# Altium PCB PCB-ZB206B-0B.PcbDoc (part 5 of 7)
Units mm, origin at the board's own origin, x right, y up, seen from the top; angles counter-clockwise.
Board outline 366.51 x 137.86 mm, 2 copper layers (Top Layer, Bottom Layer); 583 components, 415 nets, 1779 pads, 4554 vias.
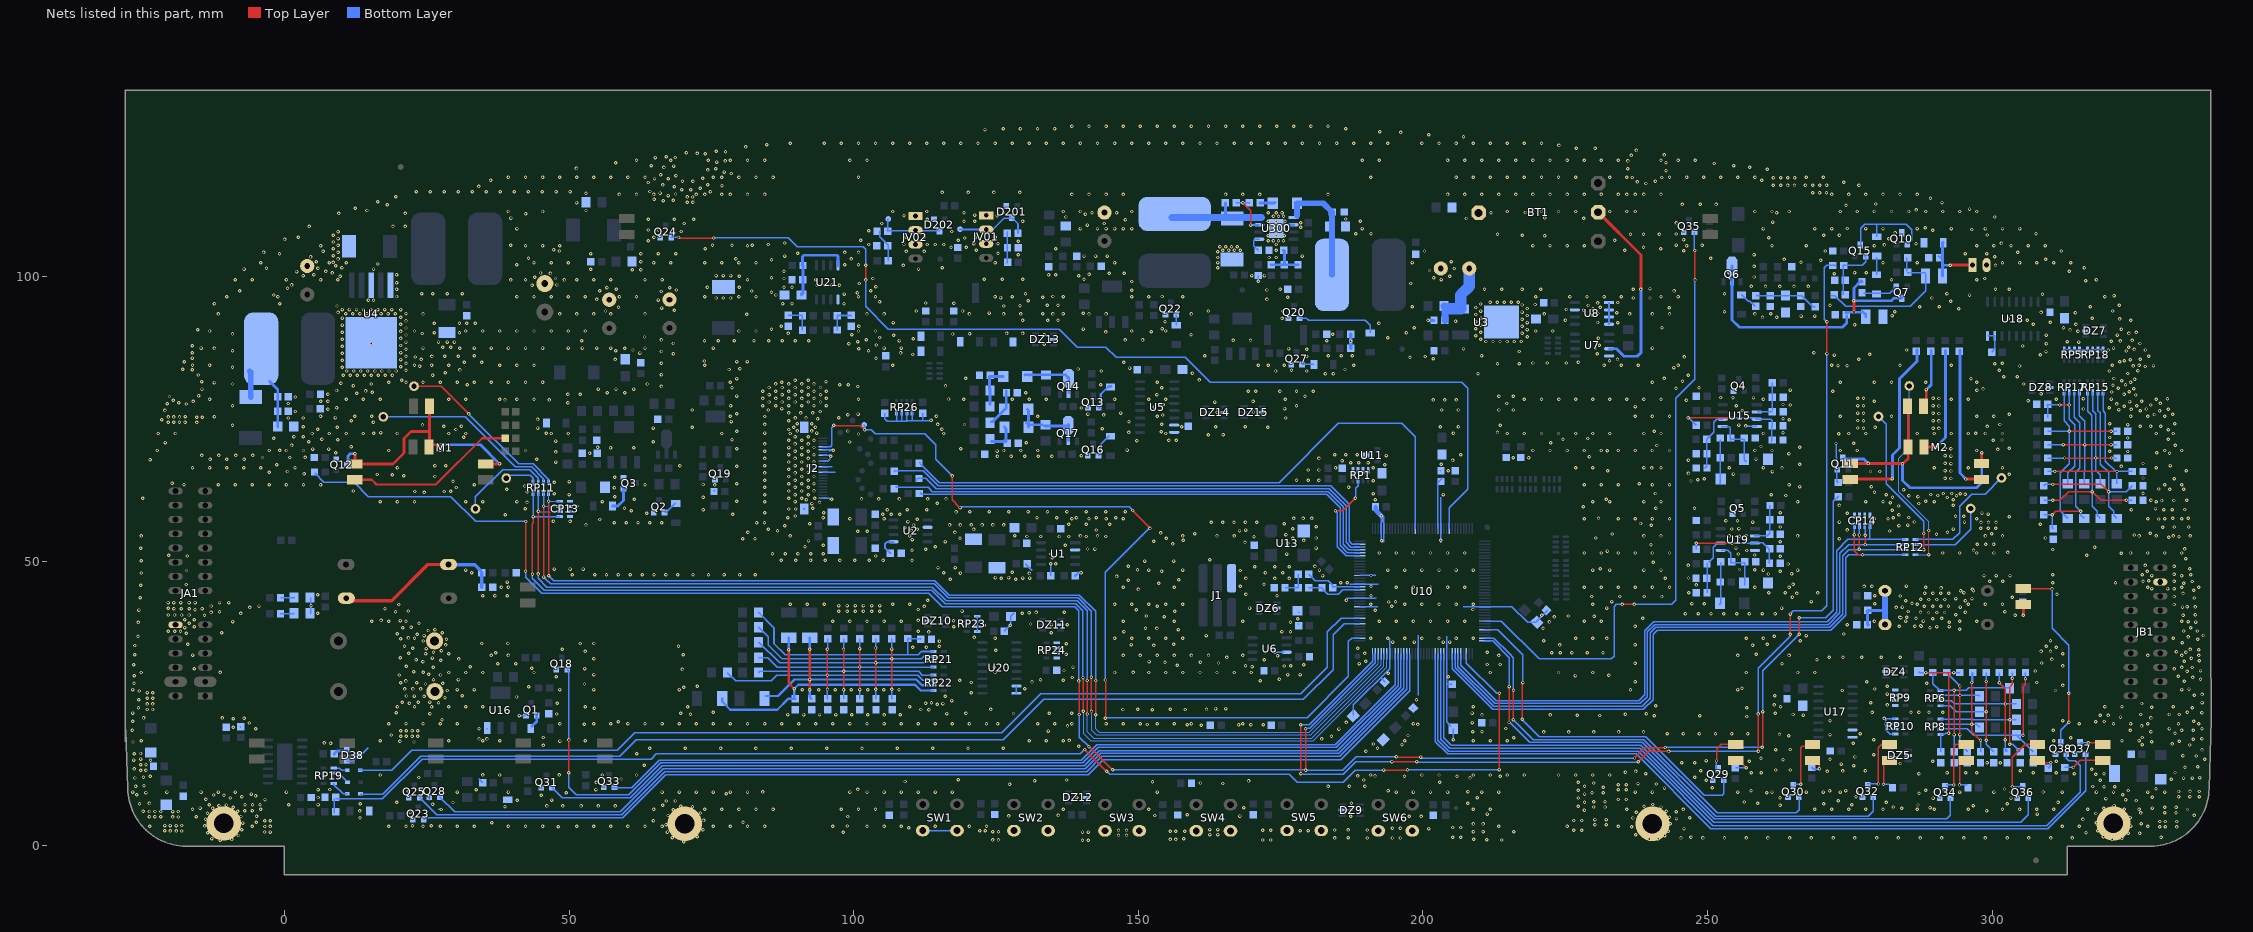
[diagram p5: the nets of this part, all layers, seen from the top]

## Via types
v1: diameter 0.6, hole 0.3, Top Layer to Bottom Layer, tented both sides, 4537 vias
v2: diameter 0.8, hole 0.3, Top Layer to Bottom Layer, 6 vias
v3: diameter 6, hole 3.4, Top Layer to Bottom Layer, 4 vias
v4: diameter 1, hole 0.5, Top Layer to Bottom Layer, tented both sides, 3 vias
v5: diameter 0.8, hole 0.4, Top Layer to Bottom Layer, 2 vias
v6: diameter 1, hole 0.3, Top Layer to Bottom Layer, 1 vias
v7: diameter 1, hole 0.5, Top Layer to Bottom Layer, 1 vias

## Nets (pads, with @x,y where several pads share a name; then routed paths per layer and width w, separated by ;. In a path a pad name is that pad's centre, name@x,y a point inside that pad or via, vN(x,y) a via of type N, cw(c..) or ccw(c..) an arc to the next point about the centre after c; other vN are vias at no path point) (continued)
GND: (continued)
  other v1: 138.332,114.461 141.332,114.461 144.332,114.461 147.332,114.461 165.332,114.461 168.332,114.461 171.332,114.461 183.332,114.461 204.332,114.461 207.332,114.461 210.332,114.461 213.332,114.461 216.332,114.461 219.332,114.461 222.332,114.461 225.332,114.461 228.332,114.461 231.332,114.461 234.332,114.461 235.832,114.461 237.332,114.461 238.832,114.461 241.832,114.461 271.832,114.461 274.832,114.461 277.832,114.461 280.832,114.461 283.832,114.461 286.832,114.461 68.68,114.54 52.959,114.681 65.98,114.7 268.5,114.74 269.69,114.73 270.91,114.73 115.57,114.808 120.1,114.808 124.629,114.808 129.159,114.808 23.162,114.919 25.617,114.919 28.071,114.919 30.526,114.919 32.98,114.919 35.435,114.919 37.889,114.919 40.344,114.919 42.798,114.919 45.253,114.919 47.707,114.919 50.162,114.919 74.82,114.93 64.19,114.98 69.77,115.27 71.36,115.27 73.06,115.57 68.46,115.82 34.13,115.87 76.85,115.98 264.07,116.04 265.29,116.04 261.58,116.06 262.88,116.05 267.21,116.06 270.92,116.06 268.5,116.08 269.72,116.08 276.606,116.078 66.45,116.13 74.37,116.16 239.19,116.38 63.9,116.55 273.939,116.586 237.67,116.66 240.85,116.75 69.92,116.77 71.75,116.8 259.55,116.96 36.195,116.967 67.43,117.19 65,117.25 73.49,117.32 261.59,117.37 262.88,117.39 264.1,117.39 265.3,117.37 236.79,117.43 241.97,117.43 39.332,117.461 42.332,117.461 45.332,117.461 48.332,117.461 51.332,117.461 54.332,117.461 57.332,117.461 60.332,117.461 63.332,117.461 76.832,117.461 79.832,117.461 82.832,117.461 85.832,117.461 100.832,117.461 190.832,117.461 205.832,117.461 208.832,117.461 211.832,117.461 214.832,117.461 217.832,117.461 220.832,117.461 223.832,117.461 226.832,117.461 232.832,117.461 235.832,117.461 243.332,117.461 246.332,117.461 249.332,117.461 252.332,117.461 255.332,117.461 258.332,117.461 267.332,117.461 270.332,117.461 75.32,117.5 68.76,117.75 66.06,117.91 78.46,118.13 77.24,118.39 242.71,118.61 74.37,118.76 260.477,118.872 75.77,118.95 236,118.97 51.28,119.03 66.65,119.2 257.429,119.253 68.38,119.44 64.44,119.48 254.635,119.507 251.206,119.888 58.166,120.015 242.71,120.02 75.93,120.14 77.44,120.34 236.02,120.35 74.42,120.44 61.832,120.461 67.832,120.461 78.332,120.461 81.332,120.461 84.332,120.461 99.332,120.461 102.332,120.461 189.332,120.461 192.332,120.461 204.332,120.461 207.332,120.461 210.332,120.461 213.332,120.461 216.332,120.461 219.332,120.461 222.332,120.461 225.332,120.461 228.332,120.461 231.332,120.461 234.332,120.461 241.832,120.461 244.832,120.461 247.832,120.461 65.14,120.93 68.66,120.94 67.07,121.06 236.59,121.31 242.42,121.4 73.92,121.6 72.517,121.666 70.612,121.793 77.47,121.96 75.85,122.07 237.52,122.19 226.949,122.555 230.251,122.555 81.026,122.809 223.901,123.063 84.709,123.19 88.832,123.461 94.832,123.461 97.832,123.461 100.832,123.461 103.832,123.461 106.832,123.461 109.832,123.461 112.832,123.461 115.832,123.461 118.832,123.461 121.832,123.461 124.832,123.461 127.832,123.461 130.832,123.461 133.832,123.461 136.832,123.461 139.832,123.461 142.832,123.461 145.832,123.461 148.832,123.461 151.832,123.461 154.832,123.461 157.832,123.461 160.832,123.461 163.832,123.461 166.832,123.461 169.832,123.461 172.832,123.461 175.832,123.461 178.832,123.461 181.832,123.461 184.832,123.461 187.832,123.461 190.832,123.461 193.832,123.461 199.832,123.461 202.832,123.461 205.832,123.461 208.832,123.461 211.832,123.461 214.832,123.461 217.832,123.461 220.832,123.461 207.137,124.587 201.041,124.968 196.088,125.349 192.405,125.476 123.063,125.857 126.286,125.984 129.286,125.984 132.286,125.984 135.286,125.984 186.436,125.984 138.332,126.461 141.332,126.461 144.332,126.461 147.332,126.461 150.332,126.461 153.332,126.461 156.332,126.461 159.332,126.461 162.332,126.461 165.332,126.461 168.332,126.461 171.332,126.461 174.332,126.461 177.332,126.461 180.332,126.461 183.332,126.461
  other v3: 70.325,3.9 240.325,3.9 -10.686,3.95 321.315,3.95
IN1: D66.1 U10.45 | length 190.6
  Bottom Layer w0.25: D66.1@13.01,13.25 18.831,13.25 22.342,16.762 58.472,16.762 61.561,19.85 125.99,19.85 132.865,26.725 178.563,26.725 183.232,31.394 183.232,37.592 185.65,40.01 U10.45@188.9,40.01
IN2: D68.1 U10.43 | length 191.6
  Bottom Layer w0.25: D68.1@13.29,9.07 17.281,9.07 23.971,15.76 58.93,15.76 61.8,18.63 126.272,18.63 126.311,18.669 ; 126.31,18.67 133.365,25.725 178.986,25.725 184.242,30.982 184.242,37.062 186.19,39.01 U10.43@188.9,39.01
IS9: C81.1 R147.2 U10.3 | length 236.8
  Top Layer w0.25: v1(140.57,16.93) v1@144.4,13.1 ; v1(193.11,13.32) v1@197.25,13.32 ; v1(213.43,13.41) 213.43,26.81 v1(213.46,26.84)
  Bottom Layer w0.25: R147.2@8.72,5.71 C81.1@8.72,8.27 ; R147.2@8.75,5.82 R147.2@8.76,5.81 ; C81.1@9,8.27 17.191,8.27 24.172,15.252 64.432,15.252 65.331,16.15 139.81,16.15 v1@140.54,16.88 ; v1@144.435,13.125 144.95,12.61 176.55,12.61 177.95,11.21 186.01,11.21 188.12,13.32 v1(193.11,13.32) ; v1(197.29,13.36) 213.38,13.36 v1(213.43,13.41) ; U10.3@207.65,33.76 207.65,32.134 212.944,26.84 v1(213.46,26.84)
  other v1: 144.46,13.1
LCD-PWM: J2.19 TP6.1 U10.38 | length 164.2
  Top Layer w0.25: v1@96.47,73.86 101.19,73.86 v1(101.91,73.14) ; v1(117.3,65) 117.3,60.79 v1@118.58,59.51 ; v1(144.2,22.43) 144.24,22.47 144.24,29.12 v1(144.22,29.14) ; v1@149.01,58.88 149.04,58.88 152.04,55.88 v1(152.04,55.78)
  Bottom Layer w0.25: J2.19@94.575,70.12 95.926,70.12 96.164,70.358 96.164,73.464 v1@96.53,73.83 ; TP6.1@101.727,73.99 101.91,73.807 v1(101.91,73.14) 103.06,73.14 103.75,72.45 112.444,72.45 114.402,70.492 114.402,67.898 v1(117.3,65) ; v1(118.69,59.44) 118.84,59.59 148.39,59.59 v1@149.033,58.947 ; v1(144.2,22.43) 144.311,22.541 179.671,22.541 186.91,29.78 186.91,35.95 187.47,36.51 U10.38@188.9,36.51 ; v1@144.22,29.13 v1(144.22,29.14) 144.22,48.07 151.93,55.78 v1(152.04,55.78)
  other v1: 149.02,58.93 96.49,73.9
LED1: Q38.2 U10.13 | length 145
  Bottom Layer w0.25: U10.13@202.65,33.76 202.65,18.554 204.544,16.66 237.83,16.66 240.61,13.88 240.62,13.88 250.92,3.58 309.64,3.58 315.45,9.39 315.45,14.06 314.58,14.93 313.49,14.93 313.04,15.38 Q38.2@313.04,16.09
LED2: Q37.2 U10.14 | length 145.2
  Bottom Layer w0.25: U10.14@202.15,33.76 202.15,18.339 204.339,16.15 237.46,16.15 250.58,3.03 309.8,3.03 316.42,9.65 Q37.2@316.42,16.09
LED3: Q36.2 U10.12 | length 127.7
  Bottom Layer w0.25: U10.12@203.15,33.76 203.15,18.764 204.734,17.18 238.06,17.18 251.08,4.16 305.04,4.16 306.35,5.47 Q36.2@306.35,8.4
LED4: Q34.2 U10.11 | length 113
  Bottom Layer w0.25: U10.11@203.65,33.76 203.65,18.98 204.94,17.69 238.26,17.69 251.22,4.73 292.03,4.73 292.68,5.38 Q34.2@292.68,8.38
LED5: Q32.2 U10.144 | length 90.5
  Top Layer w0.25: v1@215.16,21.63 215.16,21.68 v1@215.17,27.97
  Bottom Layer w0.25: U10.144@210.9,36.01 212.25,36.01 215.18,33.08 215.18,28.03 v1@215.16,28.03 ; v1@215.15,21.79 218.748,18.192 238.508,18.192 251.46,5.24 278.27,5.24 279.12,6.09 279.12,8.405 Q32.2@279.02,8.505
  other v1: 215.13,21.68 215.19,27.99
LED6: Q30.2 U10.143 | length 76.5
  Top Layer w0.25: v1@215.88,22.41 215.88,27.18 v1@216.03,27.33
  Bottom Layer w0.25: U10.143@210.9,36.51 212.464,36.51 215.232,33.742 ; 215.23,33.74 215.872,33.098 215.872,27.488 v1@216.03,27.33 ; v1@215.88,22.2 v1(215.91,22.17) 219.388,18.692 238.828,18.692 251.73,5.79 265.56,5.79 266.14,6.37 Q30.2@266.14,8.34
  other v1: 215.92,27.36
LED7: Q29.2 U10.140 | length 63.6
  Top Layer w0.25: v1@217.44,22.18 217.44,28.57 v1(217.57,28.7)
  Bottom Layer w0.25: U10.140@210.9,38.01 213.114,38.01 217.57,33.554 v1(217.57,28.7) ; v1@217.44,22.2 217.48,22.2 220.48,19.2 239.18,19.2 249.47,8.91 252.6,8.91 252.89,9.2 252.89,11.53 252.76,11.66 252.77,11.66 Q29.2@252.78,11.67
  other v1: 217.47,22.25
LED16: Q24.2 U10.100 | length 182.8
  Top Layer w0.25: v1(69.23,106.89) 69.32,106.8 v1(75.41,106.8) ; v1@102.1,99.432 v1(102.1,99.441) v1(102.1,102.01)
  Bottom Layer w0.25: Q24.2@67.89,106.9 v1@69.22,106.9 ; v1(75.41,106.8) 75.4,106.81 88.516,106.81 90.043,105.283 101.637,105.283 102.1,104.82 v1(102.1,102.01) ; v1@102.1,99.432 102.1,94.77 106.06,90.81 136.12,90.81 139.278,87.652 144.245,87.652 146.086,85.81 158.251,85.81 162.641,81.42 206.84,81.42 207.86,80.4 207.86,62.619 204.65,59.409 U10.100@204.65,55.76
LED17: Q18.2 U10.27 | length 180.7
  Top Layer w0.25: v1(49.94,12.84) 49.96,12.86 v1(49.96,18.62)
  Bottom Layer w0.25: Q18.2@49.657,30.988 49.96,30.685 v1(49.96,18.62) ; v1(49.94,12.84) 49.94,10.28 51.25,8.97 60.5,8.97 66.1,14.57 140.21,14.57 142.931,17.291 184.811,17.291 195.65,28.13 195.65,28.14 U10.27@195.65,33.76
LED18: Q23.2 U10.23 | length 189.1
  Bottom Layer w0.25: Q23.2@24.45,4.62 24.8,4.97 59.411,4.97 66.971,12.53 141.17,12.53 143.81,15.17 185.6,15.17 197.65,27.22 U10.23@197.65,33.76
LED19: Q25.2 U10.24 | length 190
  Bottom Layer w0.25: Q25.2@23.75,8.48 25.35,6.88 26.748,5.482 59.202,5.482 66.771,13.05 140.9,13.05 143.579,15.729 185.389,15.729 197.15,27.489 U10.24@197.15,33.76
LED20: Q28.2 U10.25 | length 185.5
  Bottom Layer w0.25: Q28.2@27.31,8.56 29.888,5.982 58.992,5.982 65.68,12.67 66.571,13.56 140.68,13.56 143.365,16.245 185.195,16.245 196.65,27.7 U10.25@196.65,33.76
LED21: Q31.2 U10.26 | length 163.8
  Bottom Layer w0.25: Q31.2@47,10.19 48.77,8.42 60.72,8.42 64.55,12.25 66.36,14.06 140.46,14.06 143.154,16.754 184.994,16.754 196.15,27.91 U10.26@196.15,33.76
LED22: Q33.2 U10.28 | length 150.6
  Bottom Layer w0.2: U10.28@195.15,33.75 U10.28@195.15,33.76
  Bottom Layer w0.25: Q33.2@57.5,10.24 60.96,10.24 65.8,15.08 139.98,15.08 142.715,17.815 184.615,17.815 195.15,28.35 U10.28@195.15,33.75
LED23: Q35.2 U10.137 | length 111.7
  Top Layer w0.25: v1@235.06,42.43 v1(237.15,42.43) ; v1(247.77,104.61) 247.77,99.47 v1(247.8,99.44)
  Bottom Layer w0.25: U10.137@210.9,39.51 213.745,39.51 220.403,32.852 233.112,32.852 233.58,33.32 233.58,42.029 233.971,42.42 v1(235.05,42.42) ; v1(237.15,42.43) 243.725,42.43 244.43,43.135 244.43,78.648 247.8,82.018 247.8,98.83 ; Q35.2@247.71,107.83 247.71,104.67 v1(247.77,104.61) ; 247.8,98.85 v1(247.8,99.44)
LED_BK: R75.1 R76.1 U10.35 | length 375.6
  Top Layer w0.25: v1(42.34,48.26) v1@42.34,57 ; v1@139.58,28.92 139.58,23.15 v1(139.64,23.09) ; v1(141.34,17.4) 145.38,13.36 v1(145.51,13.36) ; v1(179.38,20.6) 179.39,20.59 v1(179.39,13.3) ; v1(195.35,15.68) 195.42,15.61 v1(199.62,15.61) ; v1(237.18,15.45) 239.018,17.288 v1(242.587,17.288) ; v1(259.61,17.33) 259.7,17.42 v1(259.7,23.58) ; v1(266.13,37.21) v1(266.13,40.09)
  Bottom Layer w0.25: R76.1@5.39,65.54 5.39,65.43 6.93,63.89 12.22,63.89 14.74,61.37 29.21,61.37 33.58,57 v1(42.39,57) ; v1(42.34,48.26) 42.34,47.27 42.32,47.25 45.17,44.4 113.2,44.4 115.58,42.02 138.84,42.02 139.56,41.3 v1(139.56,28.98) v1@139.56,28.97 ; v1(139.64,23.09) 139.64,19.1 v1(141.34,17.4) ; v1(145.51,13.36) 179.27,13.36 v1@179.4,13.23 ; v1@179.2,13.49 179.18,13.49 179.25,13.42 179.27,13.42 v1(179.39,13.3) 179.42,13.27 185.921,13.27 188.331,15.68 v1(195.35,15.68) ; v1@179.38,20.64 180.101,20.64 185.732,26.272 ; 185.56,26.1 185.732,26.272 ; U10.35@191.65,33.76 191.65,32.189 185.732,26.272 ; v1(199.62,15.61) 199.83,15.4 237.13,15.4 v1(237.18,15.45) ; v1@242.5,17.2 242.63,17.33 v1(259.61,17.33) ; v1@259.7,23.56 v1(259.7,23.58) 259.7,30.78 v1(266.13,37.21) ; v1(266.13,40.09) 270.82,40.09 272.14,41.41 272.14,60.57 R75.1@273.03,61.46
MCU-CLK: R149.2 U10.70 | length 86.8
  Bottom Layer w0.25: R149.2@111.04,64.17 R149.2@111.04,64.51 ; R149.2@111.18,64.59 112.63,64.59 114.476,62.744 183.556,62.744 186.52,59.78 186.52,53.32 187.33,52.51 U10.70@188.9,52.51
MCU-CS: R152.2 U10.71 | length 91
  Bottom Layer w0.25: R152.2@107.112,65.823 R152.2@107.176,65.76 ; R152.2@107.12,65.91 112.24,65.91 114.888,63.262 183.768,63.262 187.03,60 187.03,53.53 187.55,53.01 U10.71@188.9,53.01
MCU-MISO: R138.2 U10.68 | length 85.4
  Bottom Layer w0.25: R138.2@111.7,62.02 111.978,61.742 183.144,61.742 185.45,59.436 185.45,52.81 186.75,51.51 U10.68@188.9,51.51
MCU-MOSI: R148.2 U10.69 | length 90
  Bottom Layer w0.25: R148.2@107.39,63.18 107.57,63 113.05,63 113.808,62.242 183.351,62.242 186,59.593 186,53.02 187.01,52.01 U10.69@188.9,52.01
METER1_1: M1.1 RP11.5 | length 5.9
  Bottom Layer w0.25: M1.1@38.89,64.82 39.15,65.08 43.21,65.08 43.67,64.62 RP11.5@43.67,63.84 ; M1.1@38.956,64.653 M1.1@38.981,64.628 ; RP11.5@43.76,63.83 RP11.5@43.76,63.84
METER1_2: M1.2 RP11.6 | length 16.1
  Bottom Layer w0.25: M1.2@33.546,59.228 33.546,61.346 38.32,66.12 43.05,66.12 44.56,64.61 RP11.6@44.56,64.22
METER1_3: M1.3 RP11.7 | length 34
  Top Layer w0.25: M1.3@17.345,75.393 M1.3@18.07,75.393
  Bottom Layer w0.25: M1.3@17.345,75.393 31.757,75.393 40.527,66.623 43.388,66.623 45.47,64.54 RP11.7@45.47,63.84
METER1_4: M1.4 RP11.8 | length 31
  Top Layer w0.25: M1.4@22.752,80.763 27.487,80.763 v1(32.351,75.899)
  Bottom Layer w0.25: v1(32.351,75.899) 32.81,75.44 32.84,75.44 ; 32.825,75.425 41.125,67.125 43.675,67.125 46.37,64.43 RP11.8@46.37,63.84
METER2_1: M2.1 RP12.5 | length 22.3
  Bottom Layer w0.25: RP12.5@286.55,53.84 293.12,53.84 294.31,55.03 294.31,59.65 296.47,61.81 298.814,61.81 M2.1@301.652,64.648
METER2_2: M2.2 RP12.6 | length 14.5
  Bottom Layer w0.25: RP12.6@286.55,52.94 293.57,52.94 296.246,55.616 M2.2@296.246,59.278
METER2_3: M2.3 RP12.7 | length 27.8
  Top Layer w0.25: v1(287.99,52.06) v1@287.99,54.62
  Bottom Layer w0.25: M2.3@280.045,75.443 281.37,74.118 281.37,63.66 287.99,57.04 v1@287.99,54.91 ; RP12.7@286.55,52.04 287.97,52.04 v1(287.99,52.06)
  other v1: 287.99,54.89
METER2_4: M2.4 RP12.8 | length 35
  Top Layer w0.2: v1(288.88,55.41) 288.88,55.25 288.9,55.23 288.89,55.22 v1(288.89,51.14)
  Bottom Layer w0.2: M2.4@285.452,80.813 285.452,69.962 283.6,68.11 283.6,62.24 288.9,56.94 v1@288.9,55.41 ; RP12.8@286.55,51.14 v1(288.89,51.14)
MODA: RP1.3 U10.67 | length 18.7
  Top Layer w0.25: v1(184.64,58.87) 185.91,58.87 v1@188.145,61.105
  Bottom Layer w0.25: v1(184.64,58.87) 184.95,58.56 184.95,52.57 186.51,51.01 U10.67@188.9,51.01 ; v1(188.15,61.1) 188.225,61.175 188.225,62.871 188.6,63.246 RP1.3@188.6,64.2
MODE_CTRL: R153.2 U10.88 | length 110
  Bottom Layer w0.25: R153.2@111.472,67.32 R153.2@111.78,67.32 ; R153.2@111.74,66.98 111.812,67.052 115.053,63.81 174.741,63.81 185.162,74.232 196.278,74.232 198.65,71.86 U10.88@198.65,55.76
MUSIC: C97.2 U10.36 | length 204.4
  Top Layer w0.25: v1@178.52,12.66 178.52,21.23 v1(178.56,21.27) ; v1@194.5,14.71 v1@194.52,14.73 ; v1@194.61,14.8 v1@198.92,14.8 ; v1(237.85,14.79) 239.66,16.6 v1(243.16,16.6) ; v1(258.93,23.19) 258.93,16.67 v1(258.95,16.65) ; v1(264.52,37.21) 264.53,37.22 v1(264.53,40.73) ; v1(270.99,86.5) v1(270.99,92.08)
  Bottom Layer w0.25: v1@178.57,21.3 180.051,21.3 191.15,32.399 U10.36@191.15,33.76 ; 178.888,12.622 185.982,12.622 188.181,14.82 194.58,14.82 v1@194.63,14.87 ; v1@198.83,14.73 198.85,14.71 237.77,14.71 v1(237.85,14.79) 237.85,14.8 v1@237.86,14.81 ; v1(243.16,16.6) 243.21,16.65 v1(258.95,16.65) ; v1(258.93,23.19) 258.93,31.23 264.52,36.82 v1(264.52,37.21) ; v1(264.53,40.73) 265.09,41.29 270.11,41.29 270.98,42.16 270.98,86.49 v1(270.99,86.5) ; v1(270.99,92.08) 270.52,92.55 270.52,101.59 270.97,102.04 272.45,102.04 C97.2@272.53,101.96
  other v1: 178.57,12.66 194.56,14.81 198.94,14.81
NetBT1_1: BT1.1 U7.3 | length 34.2
  Top Layer w0.5: BT1.1@230.8,111.33 238.3,103.83 v1(238.3,97.77) v1@238.32,97.79
  Bottom Layer w0.5: U7.3@232.729,87.345 233.999,87.345 235.329,86.015 237.664,86.015 238.3,86.651 v1(238.3,97.77)
NetC4_1: C4.1 U2.5 | length 3.6
  Bottom Layer w0.35: C4.1@106.426,51.435 105.537,52.324 105.537,53.086 105.886,53.435 U2.5@106.984,53.435
NetC7_1: C7.1 R12.1 | length 2.5
  Bottom Layer w0.25: R12.1@-0.77,40.79 C7.1@1.71,40.79
NetC8_1: C8.1 R13.1 | length 2.5
  Bottom Layer w0.25: R13.1@-0.71,43.59 C8.1@1.77,43.59
NetC14_2: C14.2 C108.2 C300.2 D9.2 L1.1 | length 13.1
  Bottom Layer w0.5: L1.1@-2.59,81.59 -1.19,80.19 C300.2@-1.19,73.68
  Bottom Layer w1: L1.1@-6.1,83.37 -5.935,83.205 D9.2@-5.935,78.857
NetC19_1: C19.1 DW300.2 L302.1 U300.8 | length 18.6
  Bottom Layer w0.5: C19.1@165.29,112.98 165.29,110.395 165.29,110.35 DW300.2@165.36,110.28
  Bottom Layer w1: L302.1@155.81,110.34 L302.1@155.865,110.395
  Bottom Layer w1.2: L302.1@155.865,110.395 165.29,110.395 U300.8@171.25,110.395 U300.8@171.65,110.395
NetC19_2: C19.2 R162.1 U300.7 | length 8.1
  Top Layer w0.3: v1(168.38,112.98) 169.78,111.58 v1(169.78,109.07)
  Bottom Layer w0.3: C19.2@167.19,112.98 v1(168.38,112.98) 169.47,112.98 R162.1@169.49,112.96 ; v1(169.78,109.07) 171.09,109.07 171.1,109.08 U300.7@171.11,109.08
NetC22_1: C22.1 R24.2 R28.1 U15.2 | length 7.5
  Bottom Layer w0.25: U15.2@258.76,76.26 C22.1@261.36,76.26 ; C22.1@261.34,76.55 261.51,76.72 261.38,76.85 R24.2@261.38,81.37
NetC24_1: C24.1 R26.1 R41.1 U15.6 | length 10.6
  Bottom Layer w0.25: R41.1@249.5,66.31 249.91,66.72 C24.1@249.91,68.93 R26.1@249.91,71.45 ; R26.1@249.83,71.45 251.07,72.69 251.07,74.42 251.62,74.97 U15.6@252.67,74.97
NetC26_1: C26.1 R44.1 R182.2 RP6.1 | length 27.6
  Top Layer w0.25: v1(293.33,27.33) v1(293.33,19.558) v1@293.37,19.598
  Bottom Layer w0.25: R44.1@290.053,30.015 R44.1@289.611,30.457 289.611,28.524 290.805,27.33 RP6.1@290.95,27.33 v1(293.33,27.33) 295.427,27.33 295.91,27.813 302.959,27.813 R182.2@303.086,27.686 ; C26.1@293.33,16.51 v1@293.33,19.518
NetC27_1: C27.1 R71.1 R183.2 RP6.2 | length 22.4
  Top Layer w0.25: v1(294.352,19.554) v1(294.352,26.426) 294.352,28.091 v1(294.356,28.095)
  Bottom Layer w0.25: RP6.2@290.95,26.43 297.668,26.43 R183.2@297.809,26.289 ; R71.1@292.024,30.457 294.356,28.125 v1(294.356,28.095) ; v1(294.352,19.554) 294.352,17.937 295.652,16.637 C27.1@295.652,16.51
NetC28_1: C28.1 R91.1 R186.2 RP6.3 | length 28.6
  Top Layer w0.25: v1(301.295,28.651) 302.319,27.627 v1(302.319,24.934) v1(302.319,18.647)
  Bottom Layer w0.25: RP6.3@290.95,25.53 292.859,25.53 293.455,24.934 v1(302.319,24.934) R186.2@304.286,24.934 ; v1(301.295,28.651) R91.1@301.295,30.457 ; v1(302.319,18.647) 302.319,16.81 C28.1@302.619,16.51 C28.1@302.619,17.018
NetC29_1: C29.1 R92.1 R187.2 RP6.4 | length 23.1
  Top Layer w0.25: v1(298.958,18.542) v1(298.958,23.571) v1(298.958,28.882)
  Bottom Layer w0.25: RP6.4@290.95,24.63 292.616,24.63 293.675,23.571 R187.2@297.809,23.571 v1(298.958,23.571) ; RP6.4@291.33,24.67 RP6.4@291.45,24.67 ; v1(298.958,18.542) 298.958,17.849 C29.1@300.297,16.51 ; v1(298.958,28.882) 298.958,30.406 R92.1@299.009,30.457
NetC31_1: C31.1 R166.1 R191.2 RP8.2 | length 23.6
  Top Layer w0.25: v1(296.418,28.702) v1(296.418,21.38) 296.418,20.066 297.942,18.542 v1(297.975,18.542)
  Bottom Layer w0.25: RP8.2@290.95,21.38 v1(296.418,21.38) 297.232,21.38 R191.2@297.809,20.803 ; C31.1@297.975,16.51 v1(297.975,18.542) ; v1(296.418,28.702) 296.596,28.88 R166.1@296.596,30.457 296.418,30.279 v1(296.418,28.702)
NetC33_1: C33.1 R113.1 R199.2 RP8.4 | length 22.6
  Top Layer w0.25: v1(288.365,30.457) 292.354,30.457 ; v1(292.354,19.812) 292.354,30.457 ; v1(293.264,30.457) 292.354,30.457
  Bottom Layer w0.25: R199.2@287.147,30.607 287.297,30.457 v1(288.365,30.457) ; C33.1@291.008,16.51 291.008,19.482 291.084,19.558 290.972,19.558 RP8.4@290.95,19.58 291.592,19.58 291.824,19.812 v1(292.354,19.812) ; v1(293.264,30.457) R113.1@294.31,30.457
NetC34_1: C34.1 U10.96 | length 9.3
  Bottom Layer w0.25: U10.96@202.65,55.76 202.65,63.78 C34.1@203.52,64.65
NetC40_1: C40.1 R119.1 R206.2 RP15.4 | length 39.9
  Top Layer w0.25: v1(310.642,60.706) 311.912,60.706 313.436,62.23 v1(317.627,62.23) 319.151,60.706 v1(323.602,60.706)
  Bottom Layer w0.25: R119.1@309.113,60.706 v1(310.642,60.706) ; RP15.4@316.792,79.697 316.792,76.377 317.5,75.669 317.5,65.576 317.627,65.449 v1(317.627,62.23) 317.627,59.64 318.466,58.801 318.466,58.122 R206.2@319.05,57.537 ; v1(323.602,60.706) C40.1@324.612,60.706
NetC41_1: C41.1 R120.1 R205.2 RP15.3 | length 28.8
  Top Layer w0.25: v1(312.725,68.148) v1(318.2,68.148) v1(321.005,68.148)